# KiCad board Kanagawa_rgb_ansi.kicad_pcb (continued)
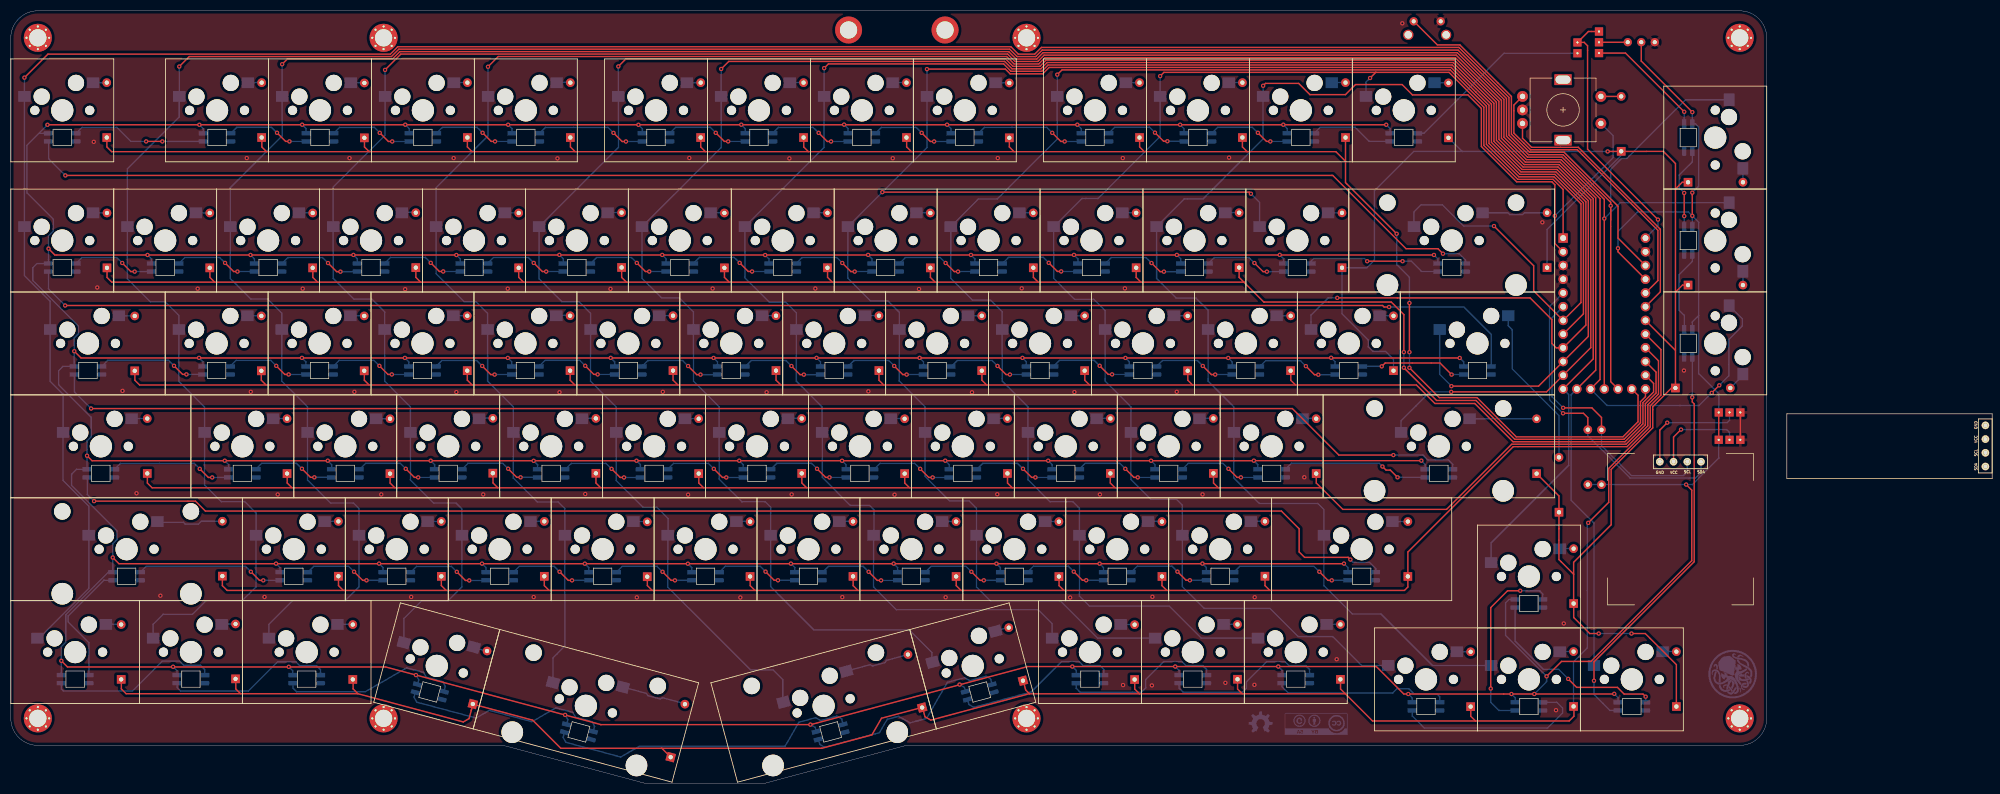
[diagram p0: board, top side]
## Nets (continued)
Net-(DD13-Pad2): DD13.2 KD13.2
Net-(DE0-Pad2): DE0.2 KE0.2
Net-(DE1-Pad2): DE1.2 KE1.2
Net-(DE2-Pad2): DE2.2 KE2.2
Net-(DE3-Pad2): DE3.2 KE3.2
Net-(DE4-Pad2): DE4.2 KE4.2
Net-(DE5-Pad2): DE5.2 KE5.2
Net-(DE6-Pad2): DE6.2 KE6.2
Net-(DE7-Pad2): DE7.2 KE7.2
Net-(DE8-Pad2): DE8.2 KE8.2
Net-(DE9-Pad2): DE9.2 KE9.2
Net-(DE10-Pad2): DE10.2 KE10.2
Net-(DE11-Pad2): DE11.2 KE11.2
Net-(DE12-Pad2): DE12.2 KE12.2
Net-(DE13-Pad2): DE13.2 KE13.2
Net-(DF0-Pad2): DF0.2 KF0.2
Net-(DF1-Pad2): DF1.2 KF1.2
Net-(DF2-Pad2): DF2.2 KF2.2
Net-(DF3-Pad2): DF3.2 KF3.2
Net-(DF4-Pad2): DF4.2 KF4.2
Net-(DF5-Pad2): DF5.2 KF5.2
Net-(DF6-Pad2): DF6.2 KF6.2
Net-(DF7-Pad2): DF7.2 KF7.2
Net-(DF8-Pad2): DF8.2 KF8.2
Net-(DF9-Pad2): DF9.2 KF9.2
Net-(DF10-Pad2): DF10.2 KF10.2
Net-(DF11-Pad2): DF11.2 KF11.2
Net-(DF12-Pad2): DF12.2 KF12.2
Net-(DF13-Pad2): DF13.2 KF13.2

Pads without a net: ${REFERENCE} 1 2 3 4; MountBaseMiddleTop1 1; MountBaseMiddleTop2 1; MountBaseMiddleTop3 1; MountBaseMiddleTop4 1; MountBaseMiddleTop5 1; MountBaseMiddleTop6 1; MountBaseMiddleTop7 1; MountBaseMiddleTop8 1; RSW0 3; SW99 MP

## Via types
v1: diameter 0.8, hole 0.4, Top to Bottom, 328 vias

## Routing (per net, layer and track width the routed paths; a pad name or vN(x,y) marks a point on that pad's centre or on a via; arc(x,y) is an arc through that point)
GND: length 5.1
  Top w0.254: J4.1 320.12,63.57
  vias: v1(15.36,118.74) v1(16,91.78) v1(20.68,72.63) v1(23.27,53.67) v1(27.69,34.71) v1(34.59,91.55) v1(43.68,115.73) v1(44.42,72.46) v1(46.96,34.48) v1(49.4,53.46) v1(54.03,91.55) v1(62.69,115.73) v1(63.59,72.46) v1(68.57,53.46) v1(72.99,91.46) v1(74.1,34.48) v1(81.97,115.73) v1(82.46,72.41) v1(87.44,53.46) v1(91.98,91.55) v1(96.78,34.46) v1(101.18,115.67) v1(101.55,72.37) v1(106.32,53.54) v1(110.99,91.52) v1(115.87,34.4) v1(120.68,72.46) v1(125.36,53.42) v1(125.58,115.75) v1(129.9,91.58) v1(135.03,34.38) v1(139.89,72.37) v1(144.11,115.67) v1(144.53,53.46) v1(148.91,91.58) v1(153.9,34.44) v1(158.73,72.54) v1(163.24,115.7) v1(163.57,53.42) v1(168.1,91.49) v1(173.03,34.42) v1(177.9,72.37) v1(182.58,53.5) v1(182.68,115.73) v1(187.11,91.61) v1(196.07,34.37) v1(196.86,72.41) v1(201.58,53.46) v1(205.82,115.73) v1(205.86,18.17) v1(206.21,91.61) v1(211.2,18.1) v1(211.3,34.51) v1(215.81,72.46) v1(220.58,53.46) v1(224.8,18.58) v1(225.49,115.81) v1(230.23,34.43) v1(230.18,18.21) v1(239.41,56.64) v1(245.41,22.95) v1(257.55,140.68) v1(283.48,103.84) v1(286,13.52) v1(287.44,29.57) v1(309.68,76.4)
VCC: length 2012.5
  Top w0.254: 296.74,16.51 v1(258.66,16.51) 257.83,16.51 252.74,21.6 188.24,21.6 ; v1(14.11,60.63) 15.04,59.7 230.06,59.7 ; v1(18.87,41.78) 20.01,40.64 246.76,40.64 ; v1(148,10.85) 109.22,10.85 109.22,10.85 69.39,21.52 ; v1(11.74,79.98) 12.99,78.73 v1(268.18,78.73) ; 263.38,97.79 8.15,97.79 v1(6.98,98.96) ; 301.78,137.2 301.78,133.69 v1(311.23,124.24) ; v1(230.08,59.72) v1(261.08,59.72) ; v1(297.47,99.04) 297.47,98.39 U0.21 ; 311.23,105.04 v1(311.23,109.33) ; 148,10.83 188.21,21.6 ; 69.37,21.52 10.49,21.52 v1(9.35,22.66) ; J4.3 316.12,63.57 ; v1(284.26,19.78) 287.03,22.55 292.47,22.55 311.13,41.2 311.13,54.25 v1(310.09,55.29) ; v1(6.79,121.9) 254.57,121.9
  Bottom w0.254: KC0.3 11.74,82.43 12.52,83.21 12.52,84.62 4.06,93.08 4.06,95.41 4.86,96.2 6.94,96.2 ; 312.4,86.56 312.4,103.86 310.49,105.77 301.09,105.77 297.47,102.15 v1(297.47,99.04) ; 312.4,86.56 311.22,85.38 KF13.3 ; 312.4,86.56 312.4,75.84 316.13,72.11 316.13,68.64 ; 197.2,20.02 197.2,20.88 v1(196.48,21.6) ; 35.57,77.16 35.57,78.02 v1(34.85,78.75) ; 164.13,39.07 164.13,39.93 v1(163.41,40.66) ; 245.1,77.18 245.1,78.04 v1(244.38,78.76) ; v1(53.89,78.75) 54.61,78.02 54.61,77.16 ; v1(177.72,97.8) 178.44,97.07 178.44,96.21 ; v1(149.14,78.75) 149.86,78.02 149.86,77.16 ; v1(148,10.85) 148.89,10.33 149.11,9.51 ; 64.14,96.22 64.14,97.08 v1(63.42,97.8) ; 75.28,18.31 75.5,19.13 v1(74.99,20.02) ; v1(30.04,21.56) 30.76,20.83 30.76,19.97 ; 268.91,77.15 268.91,78 v1(268.18,78.73) ; v1(34.9,121.9) 35.63,121.17 KA1.3 ; 83.19,96.2 83.19,97.06 v1(82.47,97.78) ; 116.53,58.12 116.53,58.98 v1(115.81,59.71) ; 264.14,96.21 264.14,97.07 v1(263.42,97.8) ; KA0.3 5.21,120.32 ; v1(87.22,40.66) 87.94,39.93 87.94,39.07 ; v1(182.44,40.65) 183.16,39.92 183.16,39.06 ; 45.09,96.21 45.09,97.07 v1(44.37,97.8) ; v1(261.08,59.72) 261.8,58.99 261.8,58.13 ; v1(102.6,12.64) 103.11,11.75 102.89,10.93 ; 211.77,58.12 211.77,58.98 v1(211.05,59.71) ; v1(175.61,18.26) 176.5,17.75 176.72,16.92 ; 59.39,58.12 59.39,58.98 v1(58.67,59.71) ; v1(134.83,59.71) 135.55,58.98 135.55,58.12 ; v1(92,78.73) 92.72,78.01 92.72,77.15 ; 78.44,58.12 78.44,58.98 v1(77.72,59.71) ; 235.32,20.02 235.32,20.88 v1(234.6,21.6) ; 40.32,58.12 40.32,58.98 v1(39.6,59.71) ; 207.03,77.15 207.03,78.01 v1(206.31,78.73) ; 26.03,96.21 26.03,97.07 v1(25.31,97.8) ; 192.74,58.12 192.74,58.98 v1(192.02,59.71) ; v1(225.34,78.72) 226.06,78 226.06,77.14 ; 247.48,39.07 247.48,39.93 v1(246.76,40.66) ; v1(197.41,121.92) 198.13,121.19 198.13,120.33 ; v1(53.93,121.92) 54.65,121.19 54.65,120.33 ; v1(234.87,97.81) 235.59,97.09 235.59,96.23 ; v1(254.58,121.91) 255.3,121.18 255.3,120.32 ; v1(258.66,16.51) 259.38,15.79 259.38,14.93 ; v1(220.56,40.66) 221.28,39.93 221.28,39.07 ; v1(173.3,121.92) 174.02,121.19 174.02,120.33 ; v1(106.25,40.65) 106.97,39.92 106.97,39.06 ; v1(168.21,78.75) 168.93,78.02 168.93,77.16 ; 236.25,120.33 236.25,121.19 v1(235.53,121.92) ; 135.93,120.33 135.93,121.19 v1(135.21,121.92) ; v1(101.54,97.81) 102.26,97.09 102.26,96.23 ; 11.73,77.17 9.65,77.17 8.86,76.38 8.86,73.76 14.89,67.73 14.89,64.16 14.11,63.38 14.11,58.12 12.16,58.12 11.25,57.21 11.25,55.12 19.66,46.71 19.66,45.12 18.87,44.33 18.87,39.07 18.07,39.07 10.17,31.17 10.17,26.08 9.35,25.26 9.35,20.01 ; 126.04,39.05 126.04,39.91 v1(125.32,40.63) ; v1(187.25,78.75) 187.97,78.02 187.97,77.16 ; 73.74,120.33 73.74,121.19 v1(73.02,121.92) ; 6.8,121.91 2.98,118.09 2.98,109.31 7.87,104.42 7.87,102.24 6.98,101.35 6.98,96.22 ; 311.23,105.04 311.23,103 ; v1(139.62,97.78) 140.34,97.06 140.34,96.2 ; 92.78,120.32 92.78,121.18 v1(92.06,121.91) ; v1(49.1,40.66) 49.82,39.93 49.82,39.07 ; v1(144.39,40.66) 145.11,39.93 145.11,39.07 ; v1(72.95,78.73) 73.67,78.01 73.67,77.15 ; 130.8,77.15 130.8,78.01 v1(130.08,78.73) ; 121.29,96.22 121.29,97.08 v1(120.57,97.8) ; 230.8,58.13 230.8,58.99 v1(230.08,59.72) ; v1(116.18,121.89) 116.9,121.17 116.9,120.31 ; 216.25,20.02 216.25,20.88 v1(215.53,21.6) ; KE12.3 277.29,34.02 276.66,33.39 276.66,27.38 v1(284.26,19.78) 284.26,18.8 v1(281.98,16.52) ; v1(153.86,59.69) 154.58,58.97 154.58,58.11 ; 111.76,77.16 111.76,78.02 v1(111.04,78.75) ; 297.5,14.96 297.5,15.82 v1(296.78,16.54) ; 52.18,19.96 52.18,20.82 v1(51.46,21.54) ; 154.96,120.35 154.96,121.21 v1(154.24,121.94) ; 159.4,96.22 159.4,97.08 v1(158.68,97.8) ; v1(277.75,16.51) 278.47,15.79 278.47,14.93 ; 173.68,58.13 173.68,58.99 v1(172.96,59.72) ; v1(96.78,59.69) 97.5,58.96 97.5,58.1 ; v1(311.23,109.33) 312.4,110.5 312.4,121.49 311.81,122.08 KD13.3 311.22,124.23 v1(311.23,124.24) ; R1.2 v1(310.09,55.29) 311.24,55.29 316.12,60.17 316.12,63.57 ; 202.25,39.06 202.25,39.92 v1(201.53,40.65) ; 217.15,120.32 217.15,121.18 v1(216.43,121.91) ; 68.89,39.07 68.89,39.93 v1(68.17,40.66) ; 197.51,96.22 197.51,97.08 v1(196.79,97.8) ; v1(215.83,97.8) 216.55,97.08 216.55,96.22
  vias: v1(311.23,105.04)
/IN_A0: length 25.1
  Top w0.254: v1(28.05,118.82) v1(25.05,118.82)
  Bottom w0.254: 12.08,120.33 13.16,121.41 19.62,121.41 22.21,118.82 v1(25.05,118.82) ; v1(28.05,118.82) 28.05,118.82 KA1.4
/IN_A1: length 15.5
  Top w0.254: v1(49.27,120.41) 50.86,118.82 v1(51.57,118.82)
  Bottom w0.254: 40.73,120.32 41.83,121.42 48.26,121.42 v1(49.27,120.41) ; v1(51.57,118.82) 54.67,118.82
/IN_A2: length 15.5
  Top w0.254: v1(68.29,120.4) 69.88,118.81 v1(70.59,118.81)
  Bottom w0.254: v1(70.59,118.81) 73.69,118.81 ; 59.75,120.31 60.85,121.41 67.28,121.41 v1(68.29,120.4)
/IN_A3: length 15.5
  Top w0.254: v1(87.32,120.41) 88.91,118.82 v1(89.62,118.82)
  Bottom w0.254: 78.78,120.32 79.88,121.42 86.31,121.42 v1(87.32,120.41) ; 92.73,118.82 92.74,118.82 ; v1(89.62,118.82) 92.72,118.82
/IN_A4: length 20.6
  Top w0.254: v1(113.86,118.8) 113.15,118.8 v1(111.56,120.39)
  Bottom w0.254: v1(111.56,120.39) 110.55,121.41 98.96,121.41 97.88,120.33 ; v1(113.86,118.8) 116.96,118.8
/IN_A5: length 15.5
  Top w0.254: v1(132.78,118.82) 132.07,118.82 v1(130.48,120.41)
  Bottom w0.254: 121.94,120.32 123.04,121.42 129.47,121.42 v1(130.48,120.41) ; v1(132.78,118.82) 135.88,118.82
/IN_A6: length 15.5
  Top w0.254: v1(149.52,120.4) 151.11,118.81 v1(151.82,118.81)
  Bottom w0.254: v1(149.52,120.4) 148.51,121.41 142.08,121.41 140.98,120.31 ; v1(151.82,118.81) 154.92,118.81
/IN_A7: length 15.5
  Top w0.254: v1(170.89,118.81) 170.18,118.81 v1(168.59,120.4)
  Bottom w0.254: v1(170.89,118.81) 173.99,118.81 ; v1(168.59,120.4) 167.58,121.41 161.15,121.41 160.05,120.31
/IN_A8: length 20.6
  Top w0.254: v1(192.76,120.41) 194.35,118.81 v1(195.06,118.81)
  Bottom w0.254: 179.12,120.32 180.22,121.42 191.75,121.42 v1(192.76,120.41) ; v1(195.06,118.81) 198.16,118.81
/IN_A9: length 15.5
  Top w0.254: v1(214.07,118.85) 213.36,118.85 v1(211.77,120.44)
  Bottom w0.254: v1(214.07,118.85) 217.17,118.85 ; 203.23,120.35 204.33,121.45 210.76,121.45 v1(211.77,120.44)
/IN_A10: length 15.5
  Top w0.254: v1(230.82,120.41) 232.41,118.82 v1(233.12,118.82)
  Bottom w0.254: v1(233.12,118.82) 236.22,118.82 ; 222.28,120.32 223.38,121.42 229.81,121.42 v1(230.82,120.41)
/IN_A11: length 15.5
  Bottom w0.254: 241.27,120.34 242.37,121.44 248.8,121.44 251.4,118.84 255.21,118.84
/IN_B0: length 15.5
  Top w0.254: v1(22.92,94.72) 22.21,94.72 v1(20.62,96.31)
  Bottom w0.254: v1(22.92,94.72) 26.02,94.72 ; v1(20.62,96.31) 19.61,97.32 13.18,97.32 KB0.6
/IN_B1: length 15.5
  Top w0.254: v1(39.65,96.32) 41.24,94.73 v1(41.95,94.73)
  Bottom w0.254: 31.11,96.23 32.21,97.33 38.64,97.33 v1(39.65,96.32) ; v1(41.95,94.73) 45.05,94.73
/IN_B2: length 15.5
  Top w0.254: v1(58.71,96.3) 60.3,94.71 v1(61.01,94.71)
  Bottom w0.254: 50.17,96.21 51.27,97.31 57.7,97.31 v1(58.71,96.3) ; v1(61.01,94.71) 64.11,94.71
/IN_B3: length 15.5
  Top w0.254: v1(80.03,94.74) 79.32,94.74 v1(77.73,96.33)
  Bottom w0.254: v1(77.73,96.33) 76.72,97.34 70.29,97.34 69.19,96.24 ; v1(80.03,94.74) 83.13,94.74
/IN_B4: length 15.5
  Top w0.254: v1(96.79,96.32) 98.38,94.73 v1(99.09,94.73)
  Bottom w0.254: 88.25,96.23 89.35,97.33 95.78,97.33 v1(96.79,96.32) ; v1(99.09,94.73) 102.19,94.73
/IN_B5: length 15.5
  Top w0.254: v1(115.87,96.32) 117.46,94.73 v1(118.17,94.73)
  Bottom w0.254: v1(118.17,94.73) 121.27,94.73 ; v1(115.87,96.32) 114.86,97.33 108.43,97.33 107.33,96.23
/IN_B6: length 15.5
  Top w0.254: v1(137.2,94.74) 136.49,94.74 v1(134.9,96.33)
  Bottom w0.254: v1(134.9,96.33) 133.89,97.34 127.46,97.34 126.36,96.24 ; v1(137.2,94.74) 140.3,94.74
/IN_B7: length 15.5
  Top w0.254: v1(153.89,96.31) 155.48,94.72 v1(156.19,94.72)
  Bottom w0.254: v1(156.19,94.72) 159.29,94.72 ; 145.35,96.22 146.45,97.32 152.88,97.32 v1(153.89,96.31)
/IN_B8: length 15.5
  Top w0.254: v1(175.32,94.72) 174.61,94.72 v1(173.02,96.31)
  Bottom w0.254: v1(173.02,96.31) 172.01,97.32 165.58,97.32 164.48,96.22 ; v1(175.32,94.72) 178.42,94.72
/IN_B9: length 15.5
  Top w0.254: v1(192.11,96.34) 193.7,94.75 v1(194.41,94.75)
  Bottom w0.254: v1(192.11,96.34) 191.1,97.35 184.67,97.35 183.57,96.25 ; v1(194.41,94.75) 197.51,94.75
/IN_B10: length 15.5
  Top w0.254: v1(213.43,94.71) 212.72,94.71 v1(211.13,96.3)
  Bottom w0.254: 202.59,96.21 203.69,97.31 210.12,97.31 v1(211.13,96.3) ; v1(213.43,94.71) 216.53,94.71
/IN_B11: length 15.5
  Top w0.254: v1(232.48,94.71) 231.77,94.71 v1(230.18,96.3)
  Bottom w0.254: v1(230.18,96.3) 229.17,97.31 222.74,97.31 221.64,96.21 ; v1(232.48,94.71) 235.58,94.71
/IN_B12: length 25.1
  Top w0.254: v1(251.05,96.64) v1(257.6,96.64)
  Bottom w0.254: v1(257.6,96.64) 259.21,96.64 261.11,94.74 264.15,94.74 ; v1(251.05,96.64) 250.54,97.15 241.17,97.15 240.68,96.65 KB12.6
/IN_B13: length 273.8
  Top w0.254: v1(10.1,112.52) 244.68,112.52 258.24,98.96 264.15,98.96 v1(265.08,98.03)
  Bottom w0.254: v1(10.1,112.52) 7.02,115.61 7.02,118.8 ; v1(265.08,98.03) 268.09,98.03 269.25,96.87 269.25,96.21
/IN_C0: length 20.3
  Top w0.254: v1(30.21,77.28) 31.8,75.69 v1(32.51,75.69)
  Bottom w0.254: v1(32.51,75.69) 35.61,75.69 ; 16.83,77.18 17.94,78.28 29.2,78.28 v1(30.21,77.28)
/IN_C1: length 15.5
  Top w0.254: v1(49.13,77.26) 50.72,75.68 v1(51.43,75.68)
  Bottom w0.254: v1(49.13,77.26) 48.12,78.28 41.68,78.28 40.58,77.17 ; v1(51.43,75.68) 54.53,75.68
/IN_C2: length 15.5
  Top w0.254: v1(70.53,75.68) 69.82,75.68 v1(68.23,77.26)
  Bottom w0.254: v1(70.53,75.68) 73.63,75.68 ; 59.68,77.17 60.78,78.28 67.22,78.28 v1(68.23,77.26)
/IN_C3: length 15.5
  Top w0.254: v1(89.55,75.66) 88.84,75.66 v1(87.25,77.25)
  Bottom w0.254: v1(89.55,75.66) 92.65,75.66 ; v1(87.25,77.25) 86.24,78.25 79.8,78.25 78.7,77.15
/IN_C4: length 15.5
  Top w0.254: v1(106.32,77.28) 107.91,75.69 v1(108.62,75.69)
  Bottom w0.254: 97.77,77.18 98.87,78.28 105.31,78.28 v1(106.32,77.28) ; v1(108.62,75.69) 111.72,75.69
/IN_C5: length 15.5
  Top w0.254: v1(127.66,75.65) 126.95,75.65 v1(125.36,77.23)
  Bottom w0.254: v1(125.36,77.23) 124.35,78.25 117.91,78.25 116.81,77.14 ; v1(127.66,75.65) 130.76,75.65
/IN_C6: length 15.5
  Top w0.254: v1(144.49,77.23) 146.08,75.65 v1(146.79,75.65)
  Bottom w0.254: 135.94,77.14 137.04,78.25 143.48,78.25 v1(144.49,77.23) ; v1(146.79,75.65) 149.89,75.65
/IN_C7: length 15.5
  Top w0.254: v1(163.51,77.25) 165.1,75.66 v1(165.81,75.66)
  Bottom w0.254: v1(165.81,75.66) 168.91,75.66 ; v1(163.51,77.25) 162.5,78.25 156.06,78.25 154.96,77.15
/IN_C8: length 15.5
  Top w0.254: v1(184.93,75.66) 184.22,75.66 v1(182.63,77.25)
  Bottom w0.254: v1(182.63,77.25) 181.62,78.25 175.18,78.25 174.08,77.15 ; v1(184.93,75.66) 188.03,75.66
/IN_C9: length 15.5
  Top w0.254: v1(201.54,77.28) 203.13,75.69 v1(203.84,75.69)
  Bottom w0.254: v1(203.84,75.69) 206.94,75.69 ; 192.99,77.18 194.09,78.28 200.53,78.28 v1(201.54,77.28)
/IN_C10: length 15.5
  Top w0.254: v1(220.63,77.25) 222.22,75.66 v1(222.93,75.66)
  Bottom w0.254: v1(222.93,75.66) 226.03,75.66 ; 212.08,77.15 213.18,78.25 219.62,78.25 v1(220.63,77.25)
/IN_C11: length 15.5
  Top w0.254: v1(239.71,77.22) 241.3,75.62 v1(242.01,75.62)
  Bottom w0.254: v1(242.01,75.62) 245.11,75.62 ; 231.16,77.12 232.26,78.22 238.7,78.22 v1(239.71,77.22)
/IN_C12: length 19.9
  Top w0.254: v1(266.67,75.65) 264.52,77.8 254.38,77.8 v1(253.75,77.17)
  Bottom w0.254: v1(253.75,77.17) 250.19,77.17 ; v1(266.67,75.65) 268.92,75.65
/IN_C13: length 279.7
  Top w0.254: v1(255.1,88.16) 254.18,88.16 253.9,88.44 v1(10.06,88.44)
  Bottom w0.254: v1(255.1,88.16) 268.95,88.16 274.01,83.1 KC13.6 ; v1(10.06,88.44) 6.98,91.53 KB0.4
/IN_D0: length 22.7
  Top w0.254: v1(34.98,58.19) 36.57,56.6 v1(37.28,56.6)
  Bottom w0.254: 19.22,58.12 20.31,59.21 33.97,59.21 v1(34.98,58.19) ; v1(37.28,56.6) 40.38,56.6
/IN_D1: length 15.5
  Top w0.254: v1(53.89,58.22) 55.48,56.62 v1(56.19,56.62)
  Bottom w0.254: v1(56.19,56.62) 59.29,56.62 ; v1(53.89,58.22) 52.88,59.22 46.44,59.22 45.34,58.12
/IN_D2: length 15.5
  Top w0.254: v1(75.41,56.62) 74.7,56.62 v1(73.11,58.21)
  Bottom w0.254: 64.56,58.11 65.66,59.22 72.1,59.22 v1(73.11,58.21) ; v1(75.41,56.62) 78.51,56.62
/IN_D3: length 15.5
  Top w0.254: v1(92.06,58.22) 93.65,56.62 v1(94.36,56.62)
  Bottom w0.254: v1(94.36,56.62) 97.46,56.62 ; 83.51,58.12 84.61,59.22 91.05,59.22 v1(92.06,58.22)
/IN_D4: length 15.5
  Top w0.254: v1(111.2,58.19) 112.79,56.6 v1(113.5,56.6)
  Bottom w0.254: v1(113.5,56.6) 116.6,56.6 ; 102.65,58.1 103.75,59.21 110.19,59.21 v1(111.2,58.19)
/IN_D5: length 15.5
  Top w0.254: v1(132.43,56.6) 131.72,56.6 v1(130.13,58.19)
  Bottom w0.254: v1(130.13,58.19) 129.12,59.21 122.68,59.21 121.58,58.1 ; v1(132.43,56.6) 135.53,56.6
/IN_D6: length 15.5
  Top w0.254: v1(151.53,56.62) 150.82,56.62 v1(149.23,58.21)
  Bottom w0.254: 140.68,58.11 141.78,59.22 148.22,59.22 v1(149.23,58.21) ; v1(151.53,56.62) 154.63,56.62
/IN_D7: length 15.5
  Top w0.254: v1(168.32,58.19) 169.91,56.6 v1(170.62,56.6)
  Bottom w0.254: 159.77,58.1 160.87,59.21 167.31,59.21 v1(168.32,58.19) ; v1(170.62,56.6) 173.72,56.6
/IN_D8: length 15.5
  Top w0.254: v1(189.65,56.62) 188.94,56.62 v1(187.35,58.21)
  Bottom w0.254: v1(187.35,58.21) 186.34,59.22 179.9,59.22 178.8,58.11 ; v1(189.65,56.62) 192.75,56.62
/IN_D9: length 15.5
  Top w0.254: v1(208.59,56.62) 207.88,56.62 v1(206.29,58.21)
  Bottom w0.254: 197.74,58.11 198.84,59.22 205.28,59.22 v1(206.29,58.21) ; v1(208.59,56.62) 211.69,56.62
/IN_D10: length 15.5
  Top w0.254: v1(227.68,56.62) 226.97,56.62 v1(225.38,58.21)
  Bottom w0.254: 216.83,58.11 217.93,59.22 224.37,59.22 v1(225.38,58.21) ; v1(227.68,56.62) 230.78,56.62
/IN_D11: length 27.4
  Top w0.254: v1(253.88,58.63) 254.55,57.96 255.34,57.96 v1(256.67,56.63)
  Bottom w0.254: KD11.6 237.03,59.24 253.27,59.24 v1(253.88,58.63) ; 261.77,56.62 261.76,56.63 v1(256.67,56.63)
/IN_D12: length 264.8
  Top w0.254: v1(255.9,60.75) 245.81,60.75 237.2,69.36 v1(14.86,69.36)
  Bottom w0.254: 11.78,75.64 11.78,72.44 v1(14.86,69.36) ; KD12.6 266.87,59.06 266.09,59.84 262.28,59.84 261.37,60.75 v1(255.9,60.75)
/IN_D13: length 15.3
  Top w0.254: 309.73,104.99 309.73,109.28
  Bottom w0.254: KE13.4 309.72,104.98 ; KD13.6 311.22,115 308.79,112.57 308.79,110.22 309.73,109.28
  vias: v1(309.72,109.28) v1(309.73,104.99)
/IN_E0: length 27.4
  Top w0.254: v1(46.74,37.56) 46.03,37.56 v1(44.44,39.15)
  Bottom w0.254: 23.98,39.07 25.07,40.16 43.43,40.16 v1(44.44,39.15) ; v1(46.74,37.56) 49.84,37.56
/IN_E1: length 15.5
  Top w0.254: v1(65.84,37.56) 65.13,37.56 v1(63.54,39.15)
  Bottom w0.254: 54.99,39.05 56.09,40.16 62.53,40.16 v1(63.54,39.15) ; v1(65.84,37.56) 68.94,37.56
/IN_E2: length 15.5
  Top w0.254: v1(84.86,37.53) 84.15,37.53 v1(82.56,39.12)
  Bottom w0.254: v1(82.56,39.12) 81.55,40.13 75.11,40.13 74.01,39.03 ; v1(84.86,37.53) 87.96,37.53
/IN_E3: length 15.5
  Top w0.254: v1(103.88,37.56) 103.17,37.56 v1(101.58,39.15)
  Bottom w0.254: v1(101.58,39.15) 100.57,40.16 94.13,40.16 93.03,39.05 ; v1(103.88,37.56) 106.98,37.56
/IN_E4: length 15.5
  Top w0.254: v1(120.63,39.15) 122.22,37.56 v1(122.93,37.56)
  Bottom w0.254: 112.08,39.05 113.18,40.16 119.62,40.16 v1(120.63,39.15) ; v1(122.93,37.56) 126.03,37.56
/IN_E5: length 15.5
  Top w0.254: v1(142,37.57) 141.29,37.57 v1(139.7,39.16)
  Bottom w0.254: v1(142,37.57) 145.1,37.57 ; v1(139.7,39.16) 138.69,40.18 132.25,40.18 131.15,39.07
/IN_E6: length 15.5
  Top w0.254: v1(161.08,37.54) 160.37,37.54 v1(158.78,39.13)
  Bottom w0.254: v1(158.78,39.13) 157.77,40.15 151.33,40.15 150.23,39.04 ; v1(161.08,37.54) 164.18,37.54
/IN_E7: length 15.5
  Top w0.254: v1(177.8,39.15) 179.39,37.56 v1(180.1,37.56)
  Bottom w0.254: v1(177.8,39.15) 176.79,40.16 170.35,40.16 169.25,39.05 ; v1(180.1,37.56) 183.2,37.56
/IN_E8: length 15.5
  Top w0.254: v1(199.05,37.57) 198.34,37.57 v1(196.75,39.16)
  Bottom w0.254: v1(196.75,39.16) 195.74,40.18 189.3,40.18 188.2,39.07 ; v1(199.05,37.57) 202.15,37.57
/IN_E9: length 15.5
  Top w0.254: v1(218.24,37.57) 217.53,37.57 v1(215.94,39.16)
  Bottom w0.254: 207.39,39.07 208.49,40.18 214.93,40.18 v1(215.94,39.16) ; v1(218.24,37.57) 221.34,37.57
/IN_E10: length 22.7
  Top w0.254: v1(242.2,39.15) 243.79,37.56 v1(244.5,37.56)
  Bottom w0.254: v1(244.5,37.56) 247.6,37.56 ; 226.38,39.06 227.48,40.16 241.19,40.16 v1(242.2,39.15)
/IN_E11: length 250.6
  Top w0.254: v1(15.41,52.22) 34.18,52.22 36.02,50.38 235.18,50.38 238.46,47.1 238.46,42.81 239.46,41.81 247.54,41.81 v1(247.94,41.41)
  Bottom w0.254: v1(247.94,41.41) 248.47,40.88 251.48,40.88 252.64,39.72 252.64,39.06 ; 14.17,56.66 14.17,53.47 15.43,52.21
/IN_E12: length 34.9
  Top w0.254: v1(279.38,35.63) 277.04,35.63 273.92,32.51 v1(273.92,17.52)
  Bottom w0.254: KE12.6 283.54,35.03 282.94,35.63 v1(279.38,35.63) ; KF11.4 275.42,13.47 273.92,14.97 v1(273.92,17.52)
/IN_E13: length 15.4
  Bottom w0.254: KE13.6 311.22,96.59 308.78,94.15 308.78,87.58 309.75,86.61 309.75,83.97
/IN_F0: length 23.5
  Bottom w0.254: 14.46,20.02 14.46,26.01 10.62,29.85 10.62,30.98 17.21,37.57 KE0.4
/IN_F1: length 31.7
  Bottom w0.254: 9.36,18.53 9.36,17.44 9.72,17.08 22.52,17.08 28.03,22.59 31.25,22.59 31.99,21.84 35.1,21.84 35.89,21.05 KF1.6
/IN_F2: length 31.5
  Bottom w0.254: 56.6,21.74 57.32,21.02 57.32,19.99 ; 56.61,21.74 53.5,21.74 52.75,22.48 49.38,22.48 43.95,17.05 31.44,17.05 30.79,17.7 30.79,18.52
/IN_F3: length 33
  Bottom w0.254: 67.71,18.15 65.63,16.95 52.89,16.95 52.88,16.94 52.23,17.59 52.23,18.41 ; 73.28,21.36 76.39,20.52 76.92,19.61 79.92,18.81 ; 80.16,16.93 80.43,17.93 79.92,18.81 ; 73.28,21.36 67.58,18.07 ; 52.22,18.4 52.22,18.4 KF2.4
/IN_F4: length 38.8
  Bottom w0.254: 96.47,11.39 100.91,13.96 ; 107.54,11.41 104.54,12.21 104.01,13.12 100.9,13.96 ; 96.42,11.39 88.58,13.49 ; 107.78,9.53 108.05,10.53 107.54,11.41 ; 74.87,16.83 74.62,15.91 75.15,15 ; 75.15,15 86.09,12.07 ; 86.12,12.06 88.58,13.48
/IN_F5: length 58.1
  Bottom w0.254: 112.87,4.85 112.14,5.04 ; 112.18,5.03 102.75,7.56 102.22,8.47 102.47,9.38 ; 152.9,12.41 153.78,11.9 154.05,10.9 ; 152.9,12.41 149.9,11.61 148.99,12.13 145.88,11.3 ; 115.35,6.27 114.37,5.7 ; 145.88,11.3 143.3,6.83 143.29,6.84 116.33,6.84 115.35,6.26 ; 114.39,5.72 112.88,4.85
/IN_F6: length 41.6
  Bottom w0.254: 165.18,11.9 164.41,12.35 ; 173.35,18.67 176.55,19.53 ; 164.33,12.39 162.21,11.83 161.64,10.84 ; 160.08,9.17 150.65,6.64 149.74,7.17 149.5,8.08 ; 176.58,19.51 177.49,18.99 180.49,19.79 ; 169.49,11.99 167.37,11.42 ; 181.64,18.28 181.37,19.28 180.49,19.79 ; 161.65,10.87 160.78,9.36 ; 169.49,11.98 173.35,18.67 ; 160.77,9.35 160.04,9.15 ; 166.45,11.17 165.18,11.9 ; 168.55,11.74 166.43,11.17
/IN_F7: length 30.3
  Bottom w0.254: 178.25,14.05 188.85,16.89 ; 201.58,21.78 198.47,21.78 197.72,22.52 194.5,22.52 ; 202.29,20.03 202.29,21.06 201.57,21.78 ; 178.25,14.05 177.34,14.57 177.09,15.49 ; 194.5,22.52 188.89,16.91
/IN_F8: length 30.3
  Bottom w0.254: 221.32,20.03 221.32,21.06 220.6,21.78 ; 220.61,21.78 217.5,21.78 216.75,22.52 213.38,22.52 210.05,19.19 210.05,17.63 209.24,16.82 207.7,16.82 207.69,16.83 197.93,16.83 197.19,17.57 KF7.4
/IN_F9: length 30.1
  Bottom w0.254: 239.68,21.77 236.57,21.77 235.82,22.51 232.45,22.51 228.71,18.77 228.71,17.59 227.97,16.85 217,16.85 216.24,17.61 216.24,18.52 ; 240.39,20.02 240.39,21.05 239.67,21.77
/IN_F10: length 32.3
  Bottom w0.254: 264.48,14.97 264.48,16 263.94,16.54 259.72,16.54 258.77,17.49 256.57,17.49 255.76,16.68 236.46,16.68 235.29,17.85 KF9.4
/IN_F11: length 36
  Bottom w0.254: 259.39,13.47 259.39,12.45 261.63,10.21 284.43,10.21 287.21,12.99 287.21,13.93 286.17,14.97 KF11.6
/IN_F12: length 35.7
  Top w0.254: v1(288.25,19.31) 289.82,17.74 297.37,17.74 298.61,16.5 302.11,16.5 v1(302.59,16.02)
  Bottom w0.254: KF12.6 302.59,16.02 v1(302.59,16.02) ; KE12.4 278.44,26.3 283.66,21.08 286.48,21.08 v1(288.25,19.31)
/IN_F13: length 76
  Top w0.254: v1(293.03,18.96) 293.03,22.46 311.58,41.01 311.58,70.23 311.22,70.59 v1(311.22,71.44)
  Bottom w0.254: KF13.6 311.22,71.44 ; v1(293.03,18.96) 293.03,16.43 295.99,13.47 KF12.4
/SW99B: length 3.8
  Top w0.254: SW99.S2 DA13.2
col00: length 496.8
  Top w0.254: 296.12,104.27 296.12,106.29 ; 296.12,104.27 296.12,74.34 U0.28 ; 296.12,104.27 v1(296.12,106.91) 296.12,107.54 287.86,115.8 287.86,115.81 287.31,116.36 280.91,116.36 277.29,119.98 277.29,126.96 268.03,136.22 190.76,136.22 189.52,134.98 186.47,134.98 185.1,136.35 71.63,136.35 70.26,134.98 6.87,134.98 v1(2.52,130.63)
  Bottom w0.254: 2.52,127.16 v1(2.52,130.63) ; 5.1,26.74 14.43,36.07 KE0.1 14.43,51.3 9.67,56.06 9.67,64.95 ; 9.68,64.94 9.68,72 7.29,74.39 KC0.1 ; KD13.1 309.97,126.53 299.1,115.66 298.13,115.66 296.12,113.65 v1(296.12,106.91) ; KA0.1 2.53,103.11 ; 7.28,84 7.28,89.22 2.52,93.98 2.52,103.05
col01: length 479.9
  Top w0.254: U0.27 v1(294.94,104.53) 294.94,108.08 287.11,115.91 280.72,115.91 276.83,119.8 276.83,126.78 267.88,135.73 190.91,135.73 189.71,134.53 186.25,134.53 184.88,135.9 71.82,135.9 70.45,134.53 33.03,134.53 v1(31.18,132.68)
  Bottom w0.254: v1(31.18,132.68) 31.18,127.15 ; 31.18,127.15 31.18,123.36 21.58,113.75 KB1.1 21.58,93.38 25.83,89.13 28.57,89.13 31.1,86.6 31.1,84 ; 35.86,64.95 35.86,69.64 31.1,74.4 KC1.1 ; KE1.1 45.39,36.34 42.83,33.78 36.12,33.78 33.6,31.26 28.18,31.26 26.34,29.42 26.34,26.85 ; v1(294.94,104.53) 297.89,107.48 KE13.1 ; 45.4,45.9 45.4,50.02 43.29,52.13 38.95,52.13 35.86,55.22 KD1.1
col02: length 478.4
  Top w0.254: 292.4,72.99 294.15,74.74 294.15,108.22 286.93,115.44 280.52,115.44 276.36,119.6 276.36,126.6 267.72,135.24 191.07,135.24 189.9,134.07 186.06,134.07 184.7,135.44 72,135.44 70.63,134.07 51.18,134.07 v1(50.22,133.11) ; v1(314.82,72.26) v1(316.22,73.66)
  Bottom w0.254: KD2.1 54.91,56.14 59.19,51.86 63.42,51.86 64.44,50.84 KE2.1 64.44,36.35 61.88,33.79 52.15,33.79 47.77,29.41 47.77,26.84 ; U0.26 295.45,69.93 312.49,69.93 v1(314.82,72.26) ; KC2.1 50.15,74.45 54.91,69.69 54.91,64.95 ; 318.05,88.43 320.49,85.99 320.49,84.65 317.99,82.15 317.99,75.43 v1(316.22,73.66) ; KA2.1 50.22,119.84 40.62,110.24 KB2.1 40.62,93.43 44.42,89.63 47.55,89.63 50.15,87.03 50.15,83.99 ; v1(50.22,133.11) 50.22,127.16
col03: length 463.2
  Top w0.254: v1(69.27,132.06) 69.27,132.07 72.19,134.99 184.51,134.99 185.88,133.62 190.08,133.62 191.25,134.79 267.53,134.79 275.9,126.42 275.9,119.41 280.32,114.99 286.74,114.99 293.35,108.38 293.35,76.47 U0.25
  Bottom w0.254: KC3.1 69.2,74.44 73.96,69.68 73.96,64.95 ; 72.75,26.02 72.75,30.49 76.03,33.77 80.93,33.77 83.49,36.33 KE3.1 83.49,50.78 82.41,51.86 78.24,51.86 73.96,56.14 KD3.1 ; 69.2,83.99 69.2,87.26 66.85,89.61 63.52,89.61 59.68,93.45 59.68,110.38 69.28,119.97 KA3.1 ; KF12.1 293.04,48.15 288.8,52.38 288.8,71.92 U0.25 ; v1(69.27,132.06) 69.27,127.15
col04: length 429.7
  Top w0.254: U0.12 292.89,78.56 292.89,108.19 286.56,114.53 280.11,114.53 275.43,119.21 275.43,126.25 267.35,134.33 191.44,134.33 190.27,133.17 185.69,133.17 184.32,134.53 90.21,134.53 v1(88.32,132.64)
  Bottom w0.254: KA4.1 88.33,119.84 78.73,110.25 KB4.1 78.73,94.32 83.89,89.15 86.08,89.15 88.25,86.98 88.25,84 ; KD4.1 93.01,56.5 97.44,52.07 101.32,52.07 102.54,50.85 KE4.1 102.54,25.38 100.35,23.19 KF4.1 ; U0.12 288.35,71.96 288.35,58.86 273.99,44.5 KE12.1 ; v1(88.32,132.64) 88.32,127.14 ; KC4.1 88.25,74.44 93.01,69.68 93.01,64.95
col05: length 414.2
  Top w0.254: U0.11 292.44,80.64 292.44,108.01 286.37,114.08 279.91,114.08 274.97,119.02 274.97,126.07 267.16,133.88 191.62,133.88 190.46,132.71 185.5,132.71 184.13,134.08 113.83,134.08 v1(112.45,132.7) ; 287.32,75.52 284.25,72.45 v1(266.6,72.45)
  Bottom w0.254: 112.47,127.15 112.47,117.73 97.79,103.05 ; 121.67,46.25 121.67,48.99 119.58,51.08 117.02,51.08 112.06,56.04 112.06,69.65 107.3,74.41 KC5.1 ; KD12.1 257.32,67.1 262.67,72.45 v1(266.6,72.45) ; KB5.1 97.78,93.39 102.01,89.15 105.16,89.15 107.3,87.01 107.3,84.01 ; 142.88,15.46 142.88,19.18 141.08,20.98 136.92,20.98 121.6,36.3 121.6,45.9 ; v1(112.45,132.7) 112.45,127.15
col06: length 395
  Top w0.254: v1(131.48,132.23) 132.88,133.63 183.95,133.63 185.31,132.26 190.65,132.26 191.81,133.42 266.97,133.42 274.51,125.89 274.51,118.83 279.71,113.63 286.18,113.63 291.99,107.82 291.99,82.73 U0.10 ; v1(266.64,73.51) 282.77,73.51 287.32,78.06
  Bottom w0.254: 170.48,22.86 170.48,24.19 166.27,28.4 148.63,28.4 140.64,36.39 KE6.1 140.64,51.12 139.64,52.12 135.29,52.12 131.11,56.3 KD6.1 ; 131.12,64.94 131.12,69.67 126.35,74.44 KC6.1 ; KB6.1 116.83,93.47 120.44,89.86 123.72,89.86 126.35,87.24 126.35,84 ; 131.5,127.12 131.5,117.7 116.84,103.05 ; v1(266.64,73.51) 264.46,75.69 KC13.1 ; v1(131.48,132.23) 131.48,127.13
col07: length 397.3
  Top w0.254: 191.98,132.95 190.83,131.8 185.13,131.8 183.76,133.17 151.33,133.17 v1(150.54,132.38) ; 192,132.97 266.79,132.97 274.05,125.7 274.05,118.64 279.52,113.17 285.99,113.17 291.53,107.63 291.53,84.81 U0.9 286.05,80.6 285.23,81.42 285.23,85.82 281.2,89.85 256.64,89.85 256.64,89.85 v1(245.51,89.85)
  Bottom w0.254: 135.86,103.05 150.53,117.71 KA7.1 ; 150.21,65.16 150.21,56.61 155.39,51.43 158.95,51.43 159.76,50.62 159.76,46.06 ; v1(245.51,89.85) 243.84,89.85 240.65,86.66 KC12.1 ; 135.88,103.05 135.88,93.56 140.39,89.05 143.43,89.05 145.4,87.08 145.4,84 ; v1(150.54,132.38) 150.54,127.15 ; KC7.1 145.4,74.43 150.16,69.67 150.16,64.92 ; 192.74,26.83 192.74,29.53 190.16,32.11 163.91,32.11 159.69,36.33 KE7.1
